# Altium PCB MODULE_4x100_RJ45_V1.0.PcbDoc (part 1 of 2) (continued)
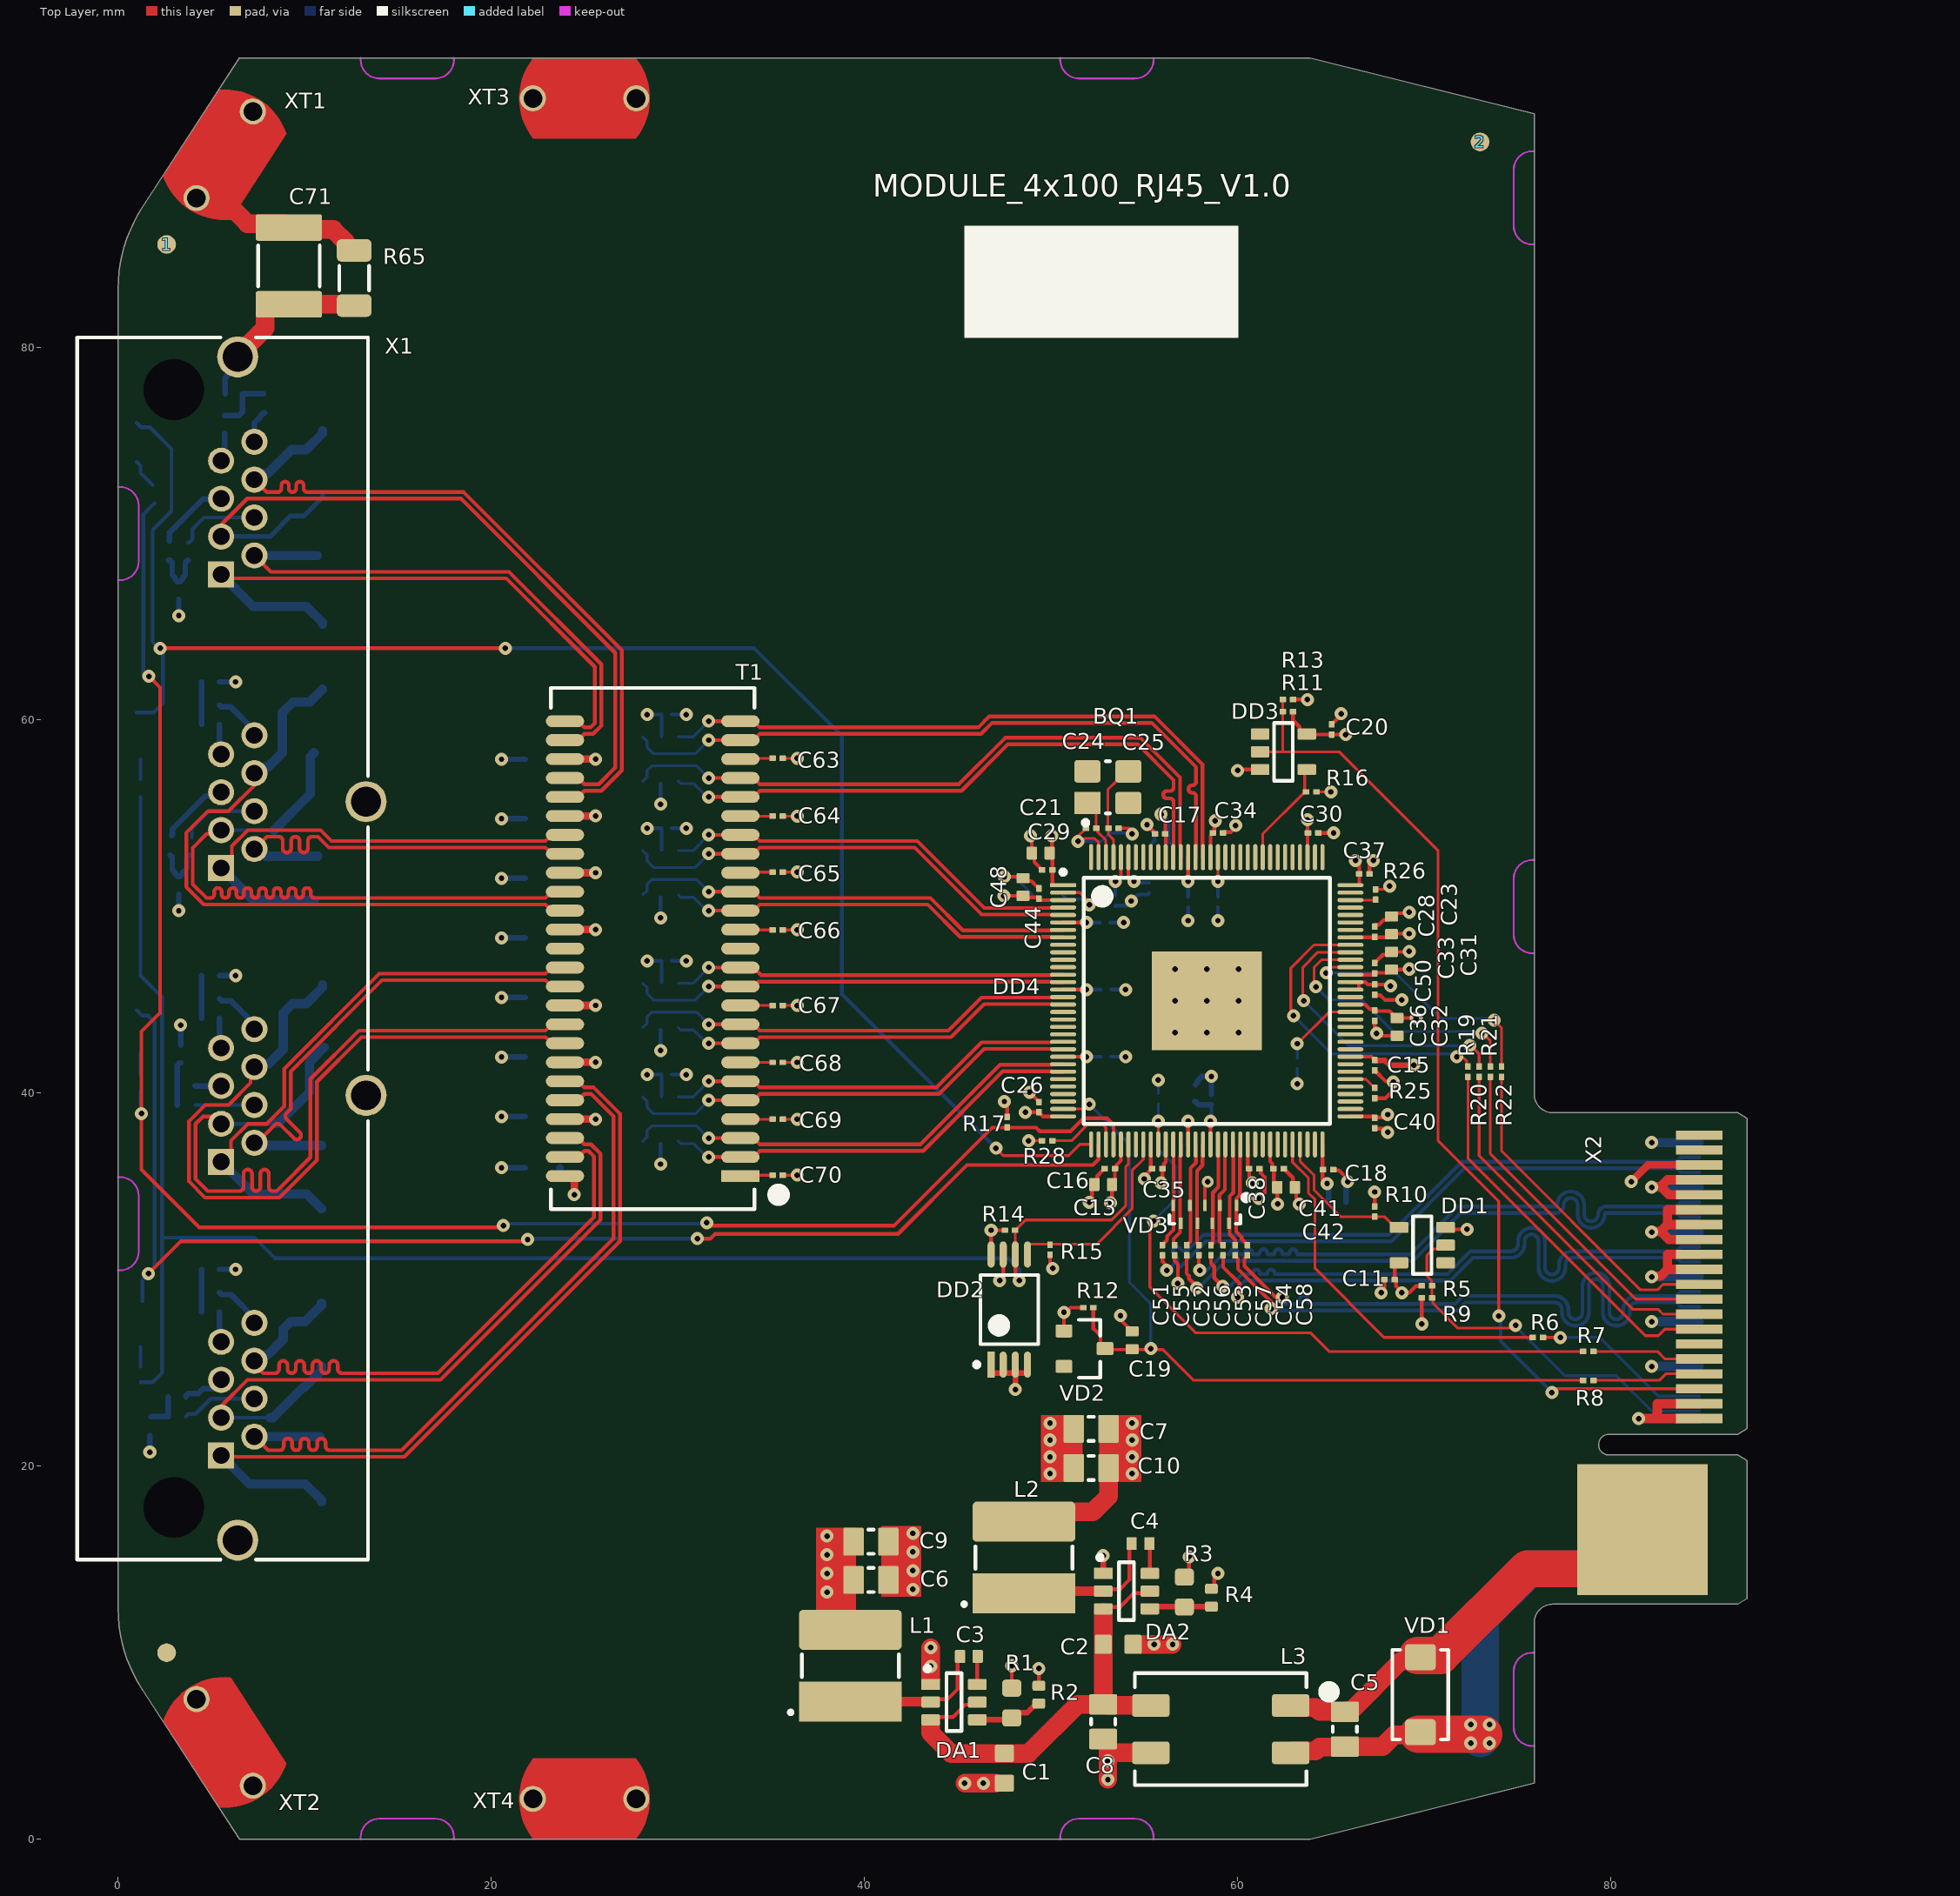
[diagram p0: Top Layer view]
## Components (designator, comment, footprint, x,y, rotation, side; value= is the part's Value field where it differs from the comment) (continued)
R61 "49,9 Ом 1%" RES0402N 4.95,45.065 r0 bottom
R62 "49,9 Ом 1%" RES0402N 4.95,46.3 r180 bottom
R63 "49,9 Ом 1%" RES0402N 4.95,29.315 r0 bottom
R64 "49,9 Ом 1%" RES0402N 4.95,30.55 r180 bottom
R65 "9М1" RES1206N 12.65,83.7 r270 top locked
T1 "TG111-E201NWLF" "HALO 50-pin Slimline NW Package" 28.65,47.75 r90 top locked
VD1 "SMAJ15CA" "DO-214AC (SMA) Non-Polar" 69.8,7.75 r90 top
VD2 "BAT54A" SOT23-3 51.796,26.3 r0 top
VD3 "WE-TVS 824014881" DFN3810-9L 58.25,33.5 r180 top locked
VD4 "DVIULC6-4SC6" SOT23-6 29.075,57.846 r90 bottom
VD5 "DVIULC6-4SC6" SOT23-6 29.075,51.75 r90 bottom
VD6 "DVIULC6-4SC6" SOT23-6 29.075,44.638 r90 bottom
VD7 "DVIULC6-4SC6" SOT23-6 29.075,38.542 r90 bottom
VD8 "SMP75-8" "DO-214AA (SMB) Non-Polar" 10.95,66.85 r270 bottom
VD9 "SMP75-8" "DO-214AA (SMB) Non-Polar" 10.95,73.8 r270 bottom
VD10 "SMP75-8" "DO-214AA (SMB) Non-Polar" 10.95,51 r270 bottom
VD11 "SMP75-8" "DO-214AA (SMB) Non-Polar" 10.95,59.95 r270 bottom
VD12 "SMP75-8" "DO-214AA (SMB) Non-Polar" 10.9,35.5 r270 bottom
VD13 "SMP75-8" "DO-214AA (SMB) Non-Polar" 10.95,44.1 r270 bottom
VD14 "SMP75-8" "DO-214AA (SMB) Non-Polar" 10.9,19.8 r270 bottom
VD15 "SMP75-8" "DO-214AA (SMB) Non-Polar" 10.9,27.05 r270 bottom
X1 "MOLEX_44248-0086" 44248-0086 8.136,47.75 r270 top locked
X2 "EDGE AMPHENOL CE1204000110111" "EDGE AMPHENOL CE1204000110111" 79.9,21.15 r90 top locked
XT1 "7466313" 7466313 5.711,90.31 r57 top locked
XT2 "7466313" 7466313 5.711,5.19 r123 top locked
XT3 "7466313" 7466313 25,93.335 r0 top locked
XT4 "7466313" 7466313 25,2.165 r0 top locked
? "Comment" Fiducial 2.6,10 r0 top locked
? "Comment" TAB_d0,5_e0,75_q6_offset0,1_keepout 0,33 r90 top locked
? "Comment" TAB_d0,5_e0,75_q6_offset0,1_keepout 0,70 r90 top locked
? "Comment" TAB_d0,5_e0,75_q6_offset0,1_keepout 15.5,0 r180 top locked
? "Comment" TAB_d0,5_e0,75_q6_offset0,1_keepout 53,0 r180 top locked
? "Comment" TAB_d0,5_e0,75_q6_offset0,1_keepout 15.5,95.5 r0 top locked
? "Comment" TAB_d0,5_e0,75_q6_offset0,1_keepout 53,95.5 r0 top locked
? "Comment" TAB_d0,5_e0,75_q6_offset0,1_keepout 75.9,88 r270 top locked
? "Comment" TAB_d0,5_e0,75_q6_offset0,1_keepout 75.9,50 r270 top locked
? "Comment" TAB_d0,5_e0,75_q6_offset0,1_keepout 75.9,7.5 r270 top locked

## Footprints (in the part's own frame and the unit in brackets; to place one, negate y for a bottom-side part, rotate by r counter-clockwise, add the part's x,y. Pads: shape width x height; smd on the part's side, far side on the other; paste and mask are expansions set on the pad)
2110x0,6-SMD-LED-GN [mm]
  rrect20% 0.8x0.9 smd: A(1.05,0)
  rect 0.8x0.9 smd: C(-1.05,0)
  silkscreen extent -0.68,-0.2 0.68,0.9, body extent -1.08,-0.13 1.08,0.9, height 0.61
"3225 Crystal" [mm]
  rect 1.4x1.2 smd: 1(-1.1,-0.85)
  rrect25% 1.4x1.2 smd: 2(1.1,-0.85) 3(1.1,0.85) 4(-1.1,0.85)
  silkscreen extent -1.32,-2.02 0.1,1.4, body extent -1.6,-1.25 1.6,1.25, height 0.75
44248-0086 [mm]
  round 0 hole 3.25 unplated: 0(-29.97,-5.155) 0(29.97,-5.155)
  rect 1.4x1.4 hole 0.9: A1(-20.06,-2.615) B1(-4.32,-2.615) C1(11.43,-2.615) D1(27.18,-2.615)
  round 1.4 hole 0.9: A2(-21.076,-0.835) A3(-22.092,-2.615) A4(-23.108,-0.835) A5(-24.124,-2.615) A6(-25.14,-0.835) A7(-26.156,-2.615) A8(-27.172,-0.835) B2(-5.336,-0.835) B3(-6.352,-2.615) B4(-7.368,-0.835) B5(-8.384,-2.615) B6(-9.4,-0.835) B7(-10.416,-2.615) B8(-11.432,-0.835) C2(10.414,-0.835) C3(9.398,-2.615) C4(8.382,-0.835) C5(7.366,-2.615) C6(6.35,-0.835) C7(5.334,-2.615) C8(4.318,-0.835) D2(26.164,-0.835) D3(25.148,-2.615) D4(24.132,-0.835) D5(23.116,-2.615) D6(22.1,-0.835) D7(21.084,-2.615) D8(20.068,-0.835)
  round 2.2 hole 1.6: SH(-31.72,-1.725) SH(-7.88,5.155) SH(7.87,5.155) SH(31.72,-1.725)
  silkscreen extent -32.76,-10.34 32.77,5.26, body extent -32.76,-10.34 32.77,5.26, height 14.36
7466313 [mm]
  round 1.4 on Top Paste: 0(-2.77,0) 0(2.77,0)
  round 1.4 hole 1 mask+0: 1(-2.77,0) 1(2.77,0)
  Top Layer region: -2.75,2.165 -3.414,0.772 -3.414,-0.772 -2.75,-2.165 -2.75,-2.165 2.75,-2.165 3.414,-0.772 3.414,0.772 2.75,2.165 2.75,2.165
  body extent -3.5,-2.16 3.5,2.17, height 7.01
CAP0201(0603x03)N [mm] "Chip Capacitor, 2-Leads, Body 0,60x0,30mm, IPC Medium Density"
  rrect20% 0.35x0.3 smd paste-3 mask+0.05: 1(-0.275,0) 2(0.275,0)
  body extent -0.3,-0.15 0.3,0.15, height 0.31
CAP0402(1005x05)N [mm] "Chip Capacitor, 2-Leads, Body 1,00x0,50mm, IPC Medium Density"
  rrect20% 0.55x0.69 smd: 1(-0.475,0) 2(0.475,0)
  body extent -0.5,-0.25 0.5,0.25, height 0.51
CAP0603(1608x08)N [mm] "Chip Capacitor, 2-Leads, Body 1,60x0,80mm, IPC Medium Density"
  rrect20% 0.92x1.02 smd: 1(-0.8,0) 2(0.8,0)
  body extent -0.8,-0.4 0.8,0.4, height 0.81
CAP0805(2012x125)N [mm] "Chip Capacitor, 2-Leads, Body 2,00x1,25mm, IPC Medium Density"
  rrect15% 1.1x1.5 smd: 1(-0.93,0) 2(0.93,0)
  silkscreen extent -0.15,-0.65 0.15,0.65, body extent -1,-0.62 1,0.63, height 1.26
CAP1812(4532x25)N [mm] "Chip Capacitor, 2-Leads, Body 4,50x3,20mm, IPC Medium Density"
  rrect15% 1.42x3.54 smd: 1(-2.06,0) 2(2.06,0)
  silkscreen extent -1.1,-1.65 1.1,1.65, body extent -2.25,-1.6 2.25,1.6, height 2.51
DFN3810-9L [mm]
  rect 0.2x0.6 smd mask+0.07: 1(-1.7,-0.475) 2(-0.8,-0.475) 3(0,-0.475) 4(0.8,-0.475) 5(1.7,-0.475) 6(1.3,0.475) 7(0.4,0.475) 8(-0.4,0.475) 9(-1.3,0.475)
  silkscreen extent -2.3,-1 1.9,0.5, body extent -1.9,-0.5 1.9,0.5, height 0.55
"DO-214AA (SMB) Non-Polar" [mm] "Molded Diode, 2-Leads, Body 4,38x3,62mm, IPC Medium Density"
  rrect25% 2.75x2.25 smd: 1(-1.7,0) 2(1.7,0)
  silkscreen extent -2.4,-2 2.4,2, body extent -2.65,-1.85 2.65,1.85, height 2.6
"DO-214AC (SMA) Non-Polar" [mm]
  rrect25% 1.4x1.64 smd: 1(-2.015,0) 2(2.015,0)
  silkscreen extent -2.4,-1.5 2.4,1.5, body extent -2.8,-1.47 2.8,1.48, height 2.7
"EDGE AMPHENOL CE1204000110111" [mm]
  rect 0.5x2.5 smd paste-10 mask+0: 1(1.4,-4.85) 3(2.2,-4.85) 5(3,-4.85) 7(3.8,-4.85) 9(4.6,-4.85) 11(5.4,-4.85) 13(6.2,-4.85) 15(7,-4.85) 17(7.8,-4.85) 19(8.6,-4.85) 21(9.4,-4.85) 23(10.2,-4.85) 25(11,-4.85) 27(11.8,-4.85) 29(12.6,-4.85) 31(13.4,-4.85) 33(14.2,-4.85) 35(15,-4.85) 37(15.8,-4.85) 39(16.6,-4.85)
  rect 0.5x2.5 smd far side paste-10 mask+0: 2(1,-4.85) 4(1.8,-4.85) 6(2.6,-4.85) 8(3.4,-4.85) 10(4.2,-4.85) 12(5,-4.85) 14(5.8,-4.85) 16(6.6,-4.85) 18(7.4,-4.85) 20(8.2,-4.85) 22(9,-4.85) 24(9.8,-4.85) 26(10.6,-4.85) 28(11.4,-4.85) 30(12.2,-4.85) 32(13,-4.85) 34(13.8,-4.85) 36(14.6,-4.85) 38(15.4,-4.85) 40(16.2,-4.85)
  rect 7x7 smd paste-10 mask+0: P1(-4.55,-1.8)
  rect 7x7 smd far side paste-10 mask+0: P2(-4.55,-1.8)
  Top Layer region: -7.56,-16.51
Fiducial [mm]
  round 1 smd paste-5 mask+0.5: FM(0,0)
  Top Layer pour cut-out: 0,1.25 0.478,1.155 0.884,0.884 1.155,0.478 1.25,0 1.25,0 1.155,-0.478 0.884,-0.884 0.478,-1.155 0,-1.25 0,-1.25 -0.478,-1.155 -0.884,-0.884 -1.155,-0.478 -1.25,0 -1.25,0 -1.155,0.478 -0.884,0.884 -0.478,1.155 0,1.25
"HALO 50-pin Slimline NW Package" [mm]
  rect 0.64x2.05 smd: 1(-12.192,-4.7)
  oval 0.64x2.05 smd: 2(-11.176,-4.7) 3(-10.16,-4.7) 4(-9.144,-4.7) 5(-8.128,-4.7) 6(-7.112,-4.7) 7(-6.096,-4.7) 8(-5.08,-4.7) 9(-4.064,-4.7) 10(-3.048,-4.7) 11(-2.032,-4.7) 12(-1.016,-4.7) 13(0,-4.7) 14(1.016,-4.7) 15(2.032,-4.7) 16(3.048,-4.7) 17(4.064,-4.7) 18(5.08,-4.7) 19(6.096,-4.7) 20(7.112,-4.7) 21(8.128,-4.7) 22(9.144,-4.7) 23(10.16,-4.7) 24(11.176,-4.7) 25(12.192,-4.7) 26(12.192,4.7) 27(11.176,4.7) 28(10.16,4.7) 29(9.144,4.7) 30(8.128,4.7) 31(7.112,4.7) 32(6.096,4.7) 33(5.08,4.7) 34(4.064,4.7) 35(3.048,4.7) 36(2.032,4.7) 37(1.016,4.7) 38(0,4.7) 39(-1.016,4.7) 40(-2.032,4.7) 41(-3.048,4.7) 42(-4.064,4.7) 43(-5.08,4.7) 44(-6.096,4.7) 45(-7.112,4.7) 46(-8.128,4.7) 47(-9.144,4.7) 48(-10.16,4.7) 49(-11.176,4.7) 50(-12.192,4.7)
  silkscreen extent -13.97,-7.05 13.97,5.46, body extent -13.97,-5.46 13.97,5.46, height 8.7
RES0201N [mm] "Chip Resistor, 2-Leads, Body 0,60x0,30mm, IPC Medium Density"
  rrect20% 0.35x0.3 smd paste-3 mask+0.05: 1(-0.275,0) 2(0.275,0)
  Top Layer region: -0.49,0.175
  body extent -0.31,-0.17 0.32,0.16, height 0.28
RES0402N [mm] "Chip Resistor, 2-Leads, Body 1,00x0,50mm, IPC Medium Density"
  rrect40% 0.55x0.69 smd: 1(-0.475,0) 2(0.475,0)
  body extent -0.57,-0.27 0.58,0.28, height 0.4
RES0603N [mm] "Chip Resistor, 2-Leads, Body 1,60x0,80mm, IPC Medium Density"
  rrect40% 0.92x1.02 smd: 1(-0.8,0) 2(0.8,0)
  body extent -0.85,-0.4 0.85,0.4, height 0.56
RES0805N [mm] "Chip Resistor, 2-Leads, Body 2,00x1,25mm, IPC Medium Density"
  rrect40% 1.1x1.5 smd: 1(-0.93,0) 2(0.93,0)
  silkscreen extent -0.15,-0.65 0.15,0.65, body extent -1.15,-0.67 1.15,0.68, height 0.76
RES1206N [mm] "Chip Resistor, 2-Leads, Body 3,20x1,60mm, IPC Medium Density"
  rrect40% 1.2x1.86 smd: 1(-1.48,0) 2(1.48,0)
  silkscreen extent -0.65,-0.8 0.65,0.8, body extent -1.67,-0.86 1.68,0.87, height 0.85
SOT23-3 [mm] "SOT23, TO-236, 3-Leads, Body 2,95x2,45mm, Pitch 0,95mm, IPC Medium Density"
  rrect25% 0.9x0.7 smd: 1(-1.1,0.95) 2(-1.1,-0.95) 3(1.1,0)
  silkscreen extent -0.3,-1.55 0.85,1.55, body extent -1.4,-1.45 1.4,1.45, height 1.2
SOT23-5 [mm] "SOT23, 5-Leads, Body 2,90x2,70mm, Pitch 0,95mm, IPC Medium Density"
  rrect25% 1x0.6 smd: 1(-1.25,0.95) 2(-1.25,0) 3(-1.25,-0.95) 4(1.25,-0.95) 5(1.25,0.95)
  silkscreen extent -0.5,-1.55 0.5,1.55, body extent -1.4,-1.45 1.4,1.45, height 1.45
SOT23-6 [mm] "SOT23, 6-Leads, Body 2,90x2,70mm, Pitch 0,95mm, IPC Medium Density"
  rect 1x0.6 smd: 1(-1.25,0.95)
  rrect25% 1x0.6 smd: 2(-1.25,0) 3(-1.25,-0.95) 4(1.25,-0.95) 5(1.25,0) 6(1.25,0.95)
  silkscreen extent -1.55,-1.55 0.4,1.92, body extent -1.4,-1.45 1.4,1.45, height 1.45
TAB_d0,5_e0,75_q6_offset0,1_keepout [mm]
  Keep-Out Layer lines w0.1: -2.5,0 -2.5,-0.102 ; 2.5,0 2.5,-0.102 ; -2.5,-0.1 ccw(c-1.5,-0.1) -1.5,-1.1 1.5,-1.1 ccw(c1.5,-0.1) 2.5,-0.1
TQFP-128-0,4e_5,89x5,31mm-EP [mm] "TQFP, 128-Leads, Body 14,00x14,00mm, Pitch 0,40mm, Thermal Pad 5,89x5,31mm, IPC Medium Density"
  rect 1.4x0.22 smd mask+0.05: 1(-7.7,6.2)
  oval 1.4x0.22 smd mask+0.05: 2(-7.7,5.8) 3(-7.7,5.4) 4(-7.7,5) 5(-7.7,4.6) 6(-7.7,4.2) 7(-7.7,3.8) 8(-7.7,3.4) 9(-7.7,3) 10(-7.7,2.6) 11(-7.7,2.2) 12(-7.7,1.8) 13(-7.7,1.4) 14(-7.7,1) 15(-7.7,0.6) 16(-7.7,0.2) 17(-7.7,-0.2) 18(-7.7,-0.6) 19(-7.7,-1) 20(-7.7,-1.4) 21(-7.7,-1.8) 22(-7.7,-2.2) 23(-7.7,-2.6) 24(-7.7,-3) 25(-7.7,-3.4) 26(-7.7,-3.8) 27(-7.7,-4.2) 28(-7.7,-4.6) 29(-7.7,-5) 30(-7.7,-5.4) 31(-7.7,-5.8) 32(-7.7,-6.2) 65(7.7,-6.2) 66(7.7,-5.8) 67(7.7,-5.4) 68(7.7,-5) 69(7.7,-4.6) 70(7.7,-4.2) 71(7.7,-3.8) 72(7.7,-3.4) 73(7.7,-3) 74(7.7,-2.6) 75(7.7,-2.2) 76(7.7,-1.8) 77(7.7,-1.4) 78(7.7,-1) 79(7.7,-0.6) 80(7.7,-0.2) 81(7.7,0.2) 82(7.7,0.6) 83(7.7,1) 84(7.7,1.4) 85(7.7,1.8) 86(7.7,2.2) 87(7.7,2.6) 88(7.7,3) 89(7.7,3.4) 90(7.7,3.8) 91(7.7,4.2) 92(7.7,4.6) 93(7.7,5) 94(7.7,5.4) 95(7.7,5.8) 96(7.7,6.2)
  oval 0.22x1.4 smd mask+0.05: 33(-6.2,-7.7) 34(-5.8,-7.7) 35(-5.4,-7.7) 36(-5,-7.7) 37(-4.6,-7.7) 38(-4.2,-7.7) 39(-3.8,-7.7) 40(-3.4,-7.7) 41(-3,-7.7) 42(-2.6,-7.7) 43(-2.2,-7.7) 44(-1.8,-7.7) 45(-1.4,-7.7) 46(-1,-7.7) 47(-0.6,-7.7) 48(-0.2,-7.7) 49(0.2,-7.7) 50(0.6,-7.7) 51(1,-7.7) 52(1.4,-7.7) 53(1.8,-7.7) 54(2.2,-7.7) 55(2.6,-7.7) 56(3,-7.7) 57(3.4,-7.7) 58(3.8,-7.7) 59(4.2,-7.7) 60(4.6,-7.7) 61(5,-7.7) 62(5.4,-7.7) 63(5.8,-7.7) 64(6.2,-7.7) 97(6.2,7.7) 98(5.8,7.7) 99(5.4,7.7) 100(5,7.7) 101(4.6,7.7) 102(4.2,7.7) 103(3.8,7.7) 104(3.4,7.7) 105(3,7.7) 106(2.6,7.7) 107(2.2,7.7) 108(1.8,7.7) 109(1.4,7.7) 110(1,7.7) 111(0.6,7.7) 112(0.2,7.7) 113(-0.2,7.7) 114(-0.6,7.7) 115(-1,7.7) 116(-1.4,7.7) 117(-1.8,7.7) 118(-2.2,7.7) 119(-2.6,7.7) 120(-3,7.7) 121(-3.4,7.7) 122(-3.8,7.7) 123(-4.2,7.7) 124(-4.6,7.7) 125(-5,7.7) 126(-5.4,7.7) 127(-5.8,7.7) 128(-6.2,7.7)
  rect 5.89x5.31 smd paste-10: EP(0,0)
  silkscreen extent -7.82,-6.6 6.6,7.02, body extent -8,-8 8,8, height 1.2
TSSOP-8 [mm] "TSOP, 8-Leads, Body 3,00x4,40mm, Pitch 0,65mm, IPC Medium Density"
  rect 1.4x0.38 smd mask+0.07: 1(-2.95,0.975)
  oval 1.4x0.38 smd mask+0.07: 2(-2.95,0.325) 3(-2.95,-0.325) 4(-2.95,-0.975) 5(2.95,-0.975) 6(2.95,-0.325) 7(2.95,0.325) 8(2.95,0.975)
  silkscreen extent -3.07,-1.55 1.85,1.87, body extent -3.23,-1.5 3.23,1.5, height 1.2
WE-PD2-5848 [mm]
  rect 2.15x5.5 smd: 1(-1.925,0)
  rrect20% 2.15x5.5 smd: 2(1.925,0)
  silkscreen extent -2.6,-2.6 0.6,3.3, body extent -2.9,-2.6 2.9,2.6, height 4.85
WE-SL2 [mm]
  rrect20% 2x1.2 smd: 1(-3.75,1.27) 2(-3.75,-1.27) 3(3.75,-1.27) 4(3.75,1.27)
  silkscreen extent -6,-3 4.6,3, body extent -4.6,-3 4.6,3, height 5.3

## Part data
BQ1: library part SMD3225, "Кварцевый резонатор DSX321G 25 MHz 12 pF -40+85C", TYPE="SMD3225 24.000 MHz"
C1 C2: library part C0603, "Чип-конденсатор 10 мкФ 16 В 0603", TYPE="Чип-конденсатор 0603"
C3 C4: library part C0402, "Чип-конденсатор 0,1 мкФ 16 В 0402", TYPE="Чип-конденсатор 0402"
C5 C8: library part C0805, "Чип-конденсатор 0,1 мкФ  100 В 0805", TYPE="Чип-конденсатор 0805"
C6 C7 C9 C10: library part C0805, "Чип-конденсатор 22 мкФ 25 В 0805", TYPE="Чип-конденсатор 0805"
C11 C15 C16 C17 C18 C20 C26 C27 C28 C29 C30 C33 C34 C35 C36 C37 C38 C39 C40 C41 C43 C44 C45 C46 C47 C49 C50 C51 C52 C53 C54 C55 C56 C57 C58 C59 C60 C61 C62 C63 C64 C65 C66 C67 C68 C69 C70: library part C0201, "Чип-конденсатор 0,1 мкФ 10 В 0201", TYPE="Чип-конденсатор 0201"
C12 C13 C14 C21 C22 C23 C31 C32 C42 C48: library part C0402, "Чип-конденсатор 10 мкФ 6,3 В 0402", TYPE="Чип-конденсатор 0402"
C19: library part C0402, "Чип-конденсатор 470 пФ ±20% 0402", TYPE="Чип-конденсатор 0402"
C24 C25: library part C0201, "Чип-конденсатор 22 пФ 25 В 0201", TYPE="Чип-конденсатор 0201"
C71: library part C1812, "Чип-конденсатор 2200 пФ 4 кВ 1812", TYPE="Чип-конденсатор 0402"
DA1 DA2: library part TPS562209, "DC/DC-контроллер TPS563209DDC SOT-23-6"
DD1 DD3: "Буфер логический OD SN74LVC1G07DBV SOT23-5 TI"
DD2: "Память EEPROM M24C64-WDW I2C 64 Кбит TTSOP-8"
DD4: "Ethernet switch 88E6240-A1-TFJ2I000 Marvell"
HL1 HL2 HL3 HL4: library part 12-21, "Светодиод KPA-2106CGCK зелёный Kingbright"
L1 L2: library part WURTH_744774033, "Дроссель 744774033 3,3 мкГн 4 А Wurth Elektronik", TYPE="Дроссель SDR0403"
L3: library part "WE-SL2 744224", "Линейный фильтр WE-SL2 744226 Wurth Elektronik"
R1: library part R0603, "Чип-резистор 33,2 кОм 1% 0603", TYPE="Чип-резистор 0603"
R2 R4: library part R0402, "Чип-резистор 10 кОм 1% 0402", TYPE="Чип-резистор 0402"
R3: library part R0603, "Чип-резистор 13,7 кОм 1% 0603", TYPE="Чип-резистор 0603"
R5 R9 R10 R11 R12 R13 R16: library part R0201, "Чип-резистор 1 кОм 5% 0201", TYPE="Чип-резистор 0201"
R6 R7 R8 R23 R24: library part R0201, "Чип-резистор 10 Ом 5% 0201", TYPE="Чип-резистор 0201"
R14 R15 R17 R18 R25 R26 R28: library part R0201, "Чип-резистор 4,7 кОм 5% 0201", TYPE="Чип-резистор 0201"
R19 R20 R21 R22: library part R0201_tooth, "Чип-резистор 2,2 кОм 5% 0201", TYPE="Чип-резистор 0201"
R27: library part R0603, "Чип-резистор 4,99 кОм 1% 0603", TYPE="Чип-резистор 0603"
R29 R30 R31 R32: library part R0402, "Чип-резистор 330 Ом 5% 0402", TYPE="Чип-резистор 0402"
R33 R34 R35 R36 R37 R38 R39 R40: library part R0805, "Чип-резистор 75 Ом 5% 0805", TYPE="Чип-резистор 0805"
R41 R42 R43 R44 R45 R46 R47 R48 R49 R50 R51 R52 R53 R54 R55 R56 R57 R58 R59 R60 R61 R62 R63 R64: library part R0402, "Чип-резистор 49,9 Ом 1% 0402", TYPE="Чип-резистор 0402"
R65: library part R1206, "Чип-резистор 9,1 МОм 1% 1206", TYPE="Чип-резистор 1206"
T1: "Dual Port Gigabit Transformer TG111-E201NWLF HALO"
VD1: "Диод TVS симметричный SMAJ15CA SMA (DO-214AC)"
VD2: "Диодная сборка с общим анодом BAT54A SOT-23"
VD3: "Диодная сброка ESD защиты WE-TVS 824014881 Wurth Elektronik"
VD4 VD5 VD6 VD7: "Диодная сброка ESD защиты DVIULC6-4SC6 SOT-23-6"
VD8 VD9 VD10 VD11 VD12 VD13 VD14 VD15: "Диод TVS симметричный SMP75-8 SMB(DO-214AA)"
X1: "Разъём 4xRJ45 MOLEX 44248-0086"
X2: library part MOLEX_76861_1120_SLOT, "Слот для разъёма AMPHENOL CE1204000110111"
XT1 XT2 XT3 XT4: library part 7315, "Контакт заземления на плату WP-SMRA 7466313", ComponentLink1Description="Сайт производителя", ComponentLink1URL=https://www.we-online.com/web/en/wuerth_elektronik/start.php, ComponentLink2Description="ГОСТ 16840-78", ComponentLink2URL="\\JSERV\SQLEXPRESS\CmpDB\DocLibrary\ГОСТ\ГОСТ 16840-78 Лепестки штырьковые. Конструкция и размеры.pdf", ID=7315, Группа=Соединители, Описание="Контакт заземления на плату WP-SMRA 7466313", Производитель="Wurth Elektronik", Серия=WP-SMRA, Тип="Соединители прочие", УсловноеОбозначение=7466313

## Via types
v1: diameter 0.7, hole 0.3, Top Layer to Bottom Layer, tented both sides, 212 vias
v2: diameter 0.7, hole 0.3, Top Layer to Bottom Layer, tented bottom, 9 vias
v3: diameter 0.65, hole 0.3, Top Layer to Bottom Layer, tented both sides, 1 vias

## Nets (pads, with @x,y where several pads share a name; then routed paths per layer and width w, separated by ;. In a path a pad name is that pad's centre, name@x,y a point inside that pad or via, vN(x,y) a via of type N, cw(c..) or ccw(c..) an arc to the next point about the centre after c; other vN are vias at no path point)
1G_TXRX_A_N: C55.2 X2.36 | length 32.6
  Top Layer w0.199: C55.2@56.625,31.3 56.625,31.02 56.8,30.845 v1(56.8,29.8)
  Bottom Layer w0.199: v1(56.8,29.8) 56.8,30.55 58.302,32.052 68.252,32.052 72.176,35.976 82.205,35.976 83.524,35.976 83.75,35.75 X2.36@84.75,35.75
1G_TXRX_A_P: C51.2 X2.38 | length 32.7
  Top Layer w0.199: C51.2@55.975,31.3 55.978,31.297 55.978,30.972 56.2,30.75 v1@56.2,30.6
  Bottom Layer w0.199: v1@56.3,30.4 56.452,30.552 56.452,30.694 56.701,30.944 ccw(c56.543,31.102) 56.701,31.261 56.604,31.358 cw(c56.763,31.517) 56.604,31.676 cw(c56.763,31.517) 56.922,31.676 57.019,31.579 ccw(c57.178,31.737) 57.336,31.579 57.45,31.692 58.158,32.4 68.108,32.4 72.032,36.324 82.349,36.324 83.524,36.324 83.75,36.55 X2.38@84.75,36.55
  other v1: 56.2,30.5
1G_TXRX_B_N: C56.2 X2.32 | length 32.6
  Top Layer w0.199: v1@57.925,30.5 C56.2@57.925,31.3
  Bottom Layer w0.199: v1@58.2,30.35 59.2,31.35 59.4,31.35 59.511,31.35 ccw(c59.511,31.438) 59.599,31.438 cw(c59.798,31.438) 59.798,31.637 cw(c59.798,31.438) 59.997,31.438 ccw(c60.085,31.438) 60.085,31.35 60.307,31.35 ccw(c60.307,31.438) 60.395,31.438 cw(c60.594,31.438) 60.594,31.637 cw(c60.594,31.438) 60.793,31.438 ccw(c60.881,31.438) 60.881,31.35 61.103,31.35 ccw(c61.103,31.438) 61.191,31.438 cw(c61.39,31.438) 61.39,31.637 cw(c61.39,31.438) 61.589,31.438 ccw(c61.677,31.438) 61.677,31.35 61.899,31.35 ccw(c61.899,31.438) 61.987,31.438 cw(c62.186,31.438) 62.186,31.637 cw(c62.186,31.438) 62.385,31.438 ccw(c62.473,31.438) 62.473,31.35 62.695,31.35 ccw(c62.695,31.438) 62.783,31.438 cw(c62.982,31.438) 62.982,31.637 cw(c62.982,31.438) 63.181,31.438 ccw(c63.269,31.438) 63.269,31.35 63.35,31.35 69.25,31.35 71.824,33.924 77.056,33.924 ccw(c77.056,34.002) 77.134,34.002 cw(c77.856,34.002) 78.579,34.002 78.579,33.498 ccw(c78.953,33.498) 79.328,33.498 cw(c79.754,33.498) 79.754,33.924 82.349,33.924 83.524,33.924 83.75,34.15 X2.32@84.75,34.15
  other v1: 57.975,30.5
1G_TXRX_B_P: C52.2 X2.30 | length 32.7
  Top Layer w0.199: C52.2@57.275,31.3 57.275,30.325 57.4,30.2 57.4,30.05 57.8,29.65 v1(57.8,29.55)
  Bottom Layer w0.199: v1@57.846,29.504 59.344,31.002 63.35,31.002 69.394,31.002 71.968,33.576 77.056,33.576 ccw(c77.056,34.002) 77.482,34.002 cw(c77.856,34.002) 78.231,34.002 78.231,33.498 ccw(c78.953,33.498) 79.675,33.498 cw(c79.754,33.498) 79.754,33.576 82.205,33.576 83.524,33.576 83.75,33.35 X2.30@84.75,33.35
1G_TXRX_C_N: C57.2 X2.24 | length 32.3
  Top Layer w0.199: C57.2@59.225,31.3 59.225,30.675 60.1,29.8 v1@60.1,28.95
  Bottom Layer w0.199: v1@59.85,29.1 59.85,29.408 60.394,29.952 62.4,29.952 71.402,29.952 72.626,31.176 74.659,31.176 ccw(c74.659,31.898) 75.382,31.898 75.382,32.052 cw(c75.756,32.052) 76.131,32.052 76.131,30.648 ccw(c76.853,30.648) 77.575,30.648 77.575,30.802 cw(c77.95,30.802) 77.95,31.176 82.205,31.176 83.524,31.176 83.75,30.95 X2.24@84.75,30.95
  other v1: 60,29.05
1G_TXRX_C_P: C53.2 X2.26 | length 32.6
  Top Layer w0.199: C53.2@58.575,31.3 58.575,30.875 58.75,30.7 58.75,30.1 v1(59.2,29.65) v1@59.3,29.55
  Bottom Layer w0.199: v1@59.2,29.55 59.5,29.55 60.25,30.3 60.6,30.3 60.761,30.3 ccw(c60.761,30.338) 60.799,30.338 cw(c60.998,30.338) 60.998,30.537 cw(c60.998,30.338) 61.197,30.338 ccw(c61.235,30.338) 61.235,30.3 61.557,30.3 ccw(c61.557,30.338) 61.595,30.338 cw(c61.794,30.338) 61.794,30.537 cw(c61.794,30.338) 61.993,30.338 ccw(c62.031,30.338) 62.031,30.3 62.391,30.3 62.4,30.3 71.258,30.3 72.482,31.524 74.659,31.524 ccw(c74.659,31.898) 75.034,31.898 75.034,32.052 cw(c75.756,32.052) 76.479,32.052 76.479,30.648 ccw(c76.853,30.648) 77.228,30.648 77.228,30.802 cw(c77.95,30.802) 77.95,31.524 82.349,31.524 83.524,31.524 83.75,31.75 X2.26@84.75,31.75
1G_TXRX_D_N: C58.2 X2.20 | length 32.3
  Top Layer w0.199: C58.2@60.525,31.3 60.525,31.275 60.374,31.124 60.374,30.726 v1@62.225,28.875
  Bottom Layer w0.199: v1@62.2,28.9 62.4,28.7 63.15,28.7 ccw(c63.15,28.899) 63.349,28.899 63.349,28.951 cw(c63.548,28.951) 63.548,29.15 cw(c63.548,28.951) 63.747,28.951 63.747,28.899 ccw(c63.946,28.899) 63.946,28.7 64.145,28.7 64.25,28.7 71.658,28.7 72.082,29.124 77.012,29.124 cw(c77.012,28.402) 77.735,28.402 77.735,28.248 ccw(c78.109,28.248) 78.484,28.248 78.484,29.652 cw(c79.206,29.652) 79.929,29.652 79.929,28.248 ccw(c80.303,28.248) 80.678,28.248 80.678,28.402 cw(c81.4,28.402) 81.4,29.124 82.349,29.124 83.524,29.124 83.75,29.35 X2.20@84.75,29.35
  other v1: 62.4,29.05
1G_TXRX_D_P: C54.2 X2.18 | length 32.4
  Top Layer w0.199: C54.2@59.875,31.3 59.875,31.275 60.026,31.124 60.026,30.582 v1@61.979,28.629
  Bottom Layer w0.199: v1@61.954,28.654 62.256,28.352 64.25,28.352 71.802,28.352 72.226,28.776 77.012,28.776 cw(c77.012,28.402) 77.387,28.402 77.387,28.248 ccw(c78.109,28.248) 78.832,28.248 78.832,29.652 cw(c79.206,29.652) 79.581,29.652 79.581,28.248 ccw(c80.303,28.248) 81.025,28.248 81.025,28.402 cw(c81.4,28.402) 81.4,28.776 82.205,28.776 83.524,28.776 83.75,28.55 X2.18@84.75,28.55
  other v1: 61.8,28.45
+1V0: C31.2 C33.2 C34.2 C35.1 C37.2 C38.1 C39.2 C40.1 DD4.43 DD4.54 DD4.65 DD4.84 DD4.96 DD4.112 DD4.123 | length 15.1
  Top Layer w0.2: DD4.123@54.15,52.65 54.15,51.65 v1@54.4,51.4 ; v1@55.975,35.125 C35.1@55.975,35.95 ; C35.1@56,35.95 56.05,36 56.05,36.2 56.15,36.3 DD4.43@56.15,37.25 ; DD4.112@58.55,52.65 58.55,53.783 58.6,53.833 58.6,53.9 58.65,53.95 C34.2@58.675,53.95 58.7,53.95 58.75,54 58.75,54.025 v1@58.75,54.55 ; DD4.54@60.55,37.25 60.55,36.117 60.55,36 C38.1@60.6,35.95 ; v1@60.625,35.075 C38.1@60.625,35.95 ; DD4.65@66.05,38.75 67.183,38.75 67.3,38.75 67.35,38.7 v1@68.05,38.7 ; DD4.84@66.05,46.35 67.275,46.35 C33.2@67.35,46.425 67.375,46.45 68.075,46.45 C31.2@68.25,46.625 v1@69.175,46.625 ; DD4.96@66.525,51.15 C37.2@66.525,51.75 v1@66.525,52.475
  Bottom Layer w0.2: v1@54.525,51.275 C39.2@55.25,51.275
  other v1: 55.9,35.2 60.8,35.2 68.05,38.85 69.2,46.65 54.45,51.35 66.325,52.475 58.8,54.6
+1V8: C7.1 C10.1 C41.2 C42.2 C43.2 C44.2 C45.2 C46.2 C47.2 C48.2 C49.2 C50.2 DD4.3 DD4.6 DD4.15 DD4.24 DD4.46 DD4.57 DD4.82 DD4.83 DD4.115 DD4.124 L2.2 R3.2 | length 30.6
  Top Layer w0.2: v1(47.475,50.575) C48.2@48.5,50.575 48.575,50.5 49.25,50.5 49.3,50.5 49.35,50.45 C44.2@49.35,50.425 49.35,50.4 49.4,50.35 DD4.3@50.65,50.35 ; DD4.24@50.65,41.95 v1@51.85,41.95 ; DD4.15@50.65,45.55 v1@51.85,45.55 ; DD4.6@50.65,49.15 v1(51.9,49.15) ; v1@53.5,51.4 53.75,51.65 DD4.124@53.75,52.65 ; R3.2@57.15,14.05 57.4,14.3 v1(57.4,15.15) ; DD4.46@57.35,37.25 v1(57.35,38.5) ; v1(57.35,51.35) DD4.115@57.35,52.65 ; DD4.57@61.75,37.25 61.75,36.33 61.862,36.218 61.862,36 61.912,35.95 C41.2@61.925,35.95 61.95,35.925 61.95,35.125 C42.2@62.125,34.95 62.125,34.075 v1(62.15,34.05) ; DD4.83@66.05,45.95 DD4.83@66.5,45.95 ; DD4.82@66.5,45.55 DD4.83@66.5,45.95 ; v1@68.175,45.825 C50.2@67.35,45.825 66.975,45.825 66.85,45.95 DD4.83@66.5,45.95
  Top Layer w1: L2.2@48.55,17.025 49.075,17.55 52.25,17.55 53.08,18.38 C7.1@53.08,22
  Bottom Layer w0.2: v1(51.9,41.95) C47.2@52.675,41.95 ; v1(51.9,45.55) C45.2@52.675,45.55 ; v1(51.9,49.15) C43.2@52.625,49.15 ; C46.2@53.45,50.575 v1(53.45,51.35) ; C49.2@57.35,50.525 v1(57.35,51.35)
  other v1: 54.35,19.6 54.35,20.5 54.35,21.4 54.35,22.3 68.2,45.75
+2V5_EXT: C11.1 C20.1 DD1.5 DD3.5 R5.2 R11.2 X2.35 | length 10.6
  Top Layer w0.2: R11.2@62.975,60.45 62.975,59.985 63.32,59.64 63.32,59.45 63.52,59.25 DD3.5@63.71,59.25 ; DD3.5@63.735,59.225 C20.1@65.05,59.225 v1@65.675,59.225 ; C11.1@68.425,29.95 68.502,29.873 68.502,29.648 68.85,29.3 69.2,29.3 69.557,29.657 69.862,29.657 R5.2@69.875,29.67 ; C11.1@68.425,30 68.425,30.7 DD1.5@68.625,30.9
  Top Layer w0.4: v1(81.1,35.25) 82,36.15 X2.35@84.75,36.15
  other v1: 68.8,29.3 65.8,59.225
+3V3: C6.1 C9.1 C12.2 C13.1 C14.2 C15.2 C16.1 C17.2 C18.2 C21.1 C22.2 C23.2 C26.1 C27.2 C28.2 C29.1 C30.2 C32.1 C36.1 C59.1 C60.1 C61.1 C62.1 DD2.8 DD4.1 DD4.32 DD4.37 DD4.49 DD4.64 DD4.73 DD4.80 DD4.89 DD4.99 DD4.118 L1.2 R1.2 R10.2 R12.2 R14.2 R15.2 R16.2 R17.1 R18.2 VD2.1 VD4.5 VD5.5 VD6.5 VD7.5 | length 47.7
  Top Layer w0.15: R16.2@64.225,56.15 v1(65,56.15)
  Top Layer w0.2: DD2.8@46.79,31.346 v1(46.79,32.65) R14.2@47.525,32.65 ; v1(47.5,39.55) 47.65,39.4 R17.1@47.65,38.725 ; R1.2@47.9,8.1 v1(47.9,9.3) ; v1@48.675,38.975 C26.1@49.35,38.975 49.35,38.95 49.4,38.9 49.425,38.9 49.575,38.75 DD4.32@50.65,38.75 ; R15.2@49.95,31.325 49.95,30.75 v1(50.1,30.6) ; v1(50.05,53.8) 50.05,52.745 50.075,52.72 C29.1@50.075,51.97 DD4.1@50.075,51.15 ; VD2.1@50.696,27.25 v1(50.696,28.254) ; v1@50.817,28.254 51.064,28.5 R12.2@51.725,28.5 ; v1@53.275,34.125 C13.1@53.275,35.1 ; C13.1@53.425,35.25 C16.1@53.425,35.95 53.45,35.95 53.5,36 53.5,36.13 53.75,36.38 DD4.37@53.75,37.25 ; v1(55.9,54.95) 55.9,54.815 56.125,54.59 C17.2@56.125,53.9 ; DD4.118@56.15,52.65 C17.2@56.15,53.875 ; DD4.49@58.55,37.25 v1(58.55,38.5) ; DD4.99@63.75,52.65 v1(63.75,54.65) ; v1@64.55,35.15 DD4.64@64.55,37.25 ; DD4.73@66.05,41.95 67.175,41.95 67.275,41.85 67.3,41.85 67.35,41.8 C15.2@67.4,41.75 ; DD4.80@66.05,44.75 66.841,44.75 67.092,44.499 67.3,44.499 67.35,44.449 C36.1@67.35,44.425 67.375,44.4 68.15,44.4 C32.1@68.513,44.037 ; DD4.89@66.05,48.35 68.075,48.35 C23.2@68.25,48.525 68.275,48.55 v1(69.2,48.55) ; R10.2@67.35,33.925 v1(67.35,34.7) ; C32.1@68.55,44.025 v1(69.575,44.025)
  Top Layer w0.3: C15.2@67.4,41.75 67.9,41.75 68.15,41.5 v1(69.45,41.5)
  Bottom Layer w0.15: R18.2@55.75,39.975 v1(55.75,40.7)
  Bottom Layer w0.2: v1(28.35,40.992) C62.1@29.125,40.992 VD7.5@29.125,39.842 ; v1(28.35,47.088) C61.1@29.125,47.088 VD6.5@29.125,45.938 ; v1(28.35,54.2) C60.1@29.125,54.2 VD5.5@29.125,53.05 ; v1(28.35,60.296) C59.1@29.125,60.296 VD4.5@29.125,59.146 ; v1(55.9,54.95) 56.3,54.55 56.3,53.475 C14.2@56.375,53.4 ; v1@58.6,38.45 C27.2@58.6,39.375
  Bottom Layer w0.3: C22.2@57.7,39.55 57.745,39.55 57.92,39.375 C27.2@58.6,39.375 ; C12.2@64.875,34.15 v1@64.875,35.075
  other v1: 38,13.25 38,14.25 38,15.25 38,16.25 53.2,34.125 64.8,35.15 48.625,38.975
eSHIELD: C71.1 R33.2 R34.2 R35.2 R36.2 R37.2 R38.2 R39.2 R40.2 R46.1 R48.1 R50.1 R52.1 R58.1 R60.1 R62.1 R64.1 R65.2 X1.SH | length 26.7
  Top Layer w1: X1.SH@6.411,79.47 6.411,79.551 7.881,81.021 7.881,82.08 8.091,82.29 C71.1@9.15,82.29 R65.2@12.58,82.29
  Bottom Layer w0.3: v1(1.7,20.75) R52.1@1.7,21.625 ; v1(3.25,49.775) R48.1@3.25,50.65 ; v1(3.25,65.6) R46.1@3.25,66.475 ; R50.1@3.35,42.575 v1(3.35,43.65) ; R64.1@5.425,30.55 v1(6.3,30.55) ; R62.1@5.425,46.3 v1(6.3,46.3) ; R60.1@5.425,62.05 v1(6.3,62.05) ; R58.1@5.725,77.5 5.725,78.344 6.411,79.031 X1.SH@6.411,79.47 ; v1(20.55,36) R40.2@21.82,36 ; v1(20.55,38.743) R39.2@21.82,38.743 ; v1(20.55,41.936) R38.2@21.82,41.936 ; v1(20.55,45.129) R37.2@21.82,45.129 ; v1(20.55,48.321) R36.2@21.82,48.321 ; v1(20.55,51.514) R35.2@21.82,51.514 ; v1(20.55,54.707) R34.2@21.82,54.707 ; v1(20.55,57.9) R33.2@21.82,57.9